# KiCad board HPM6750_ADC_EVK_RevA.kicad_pcb
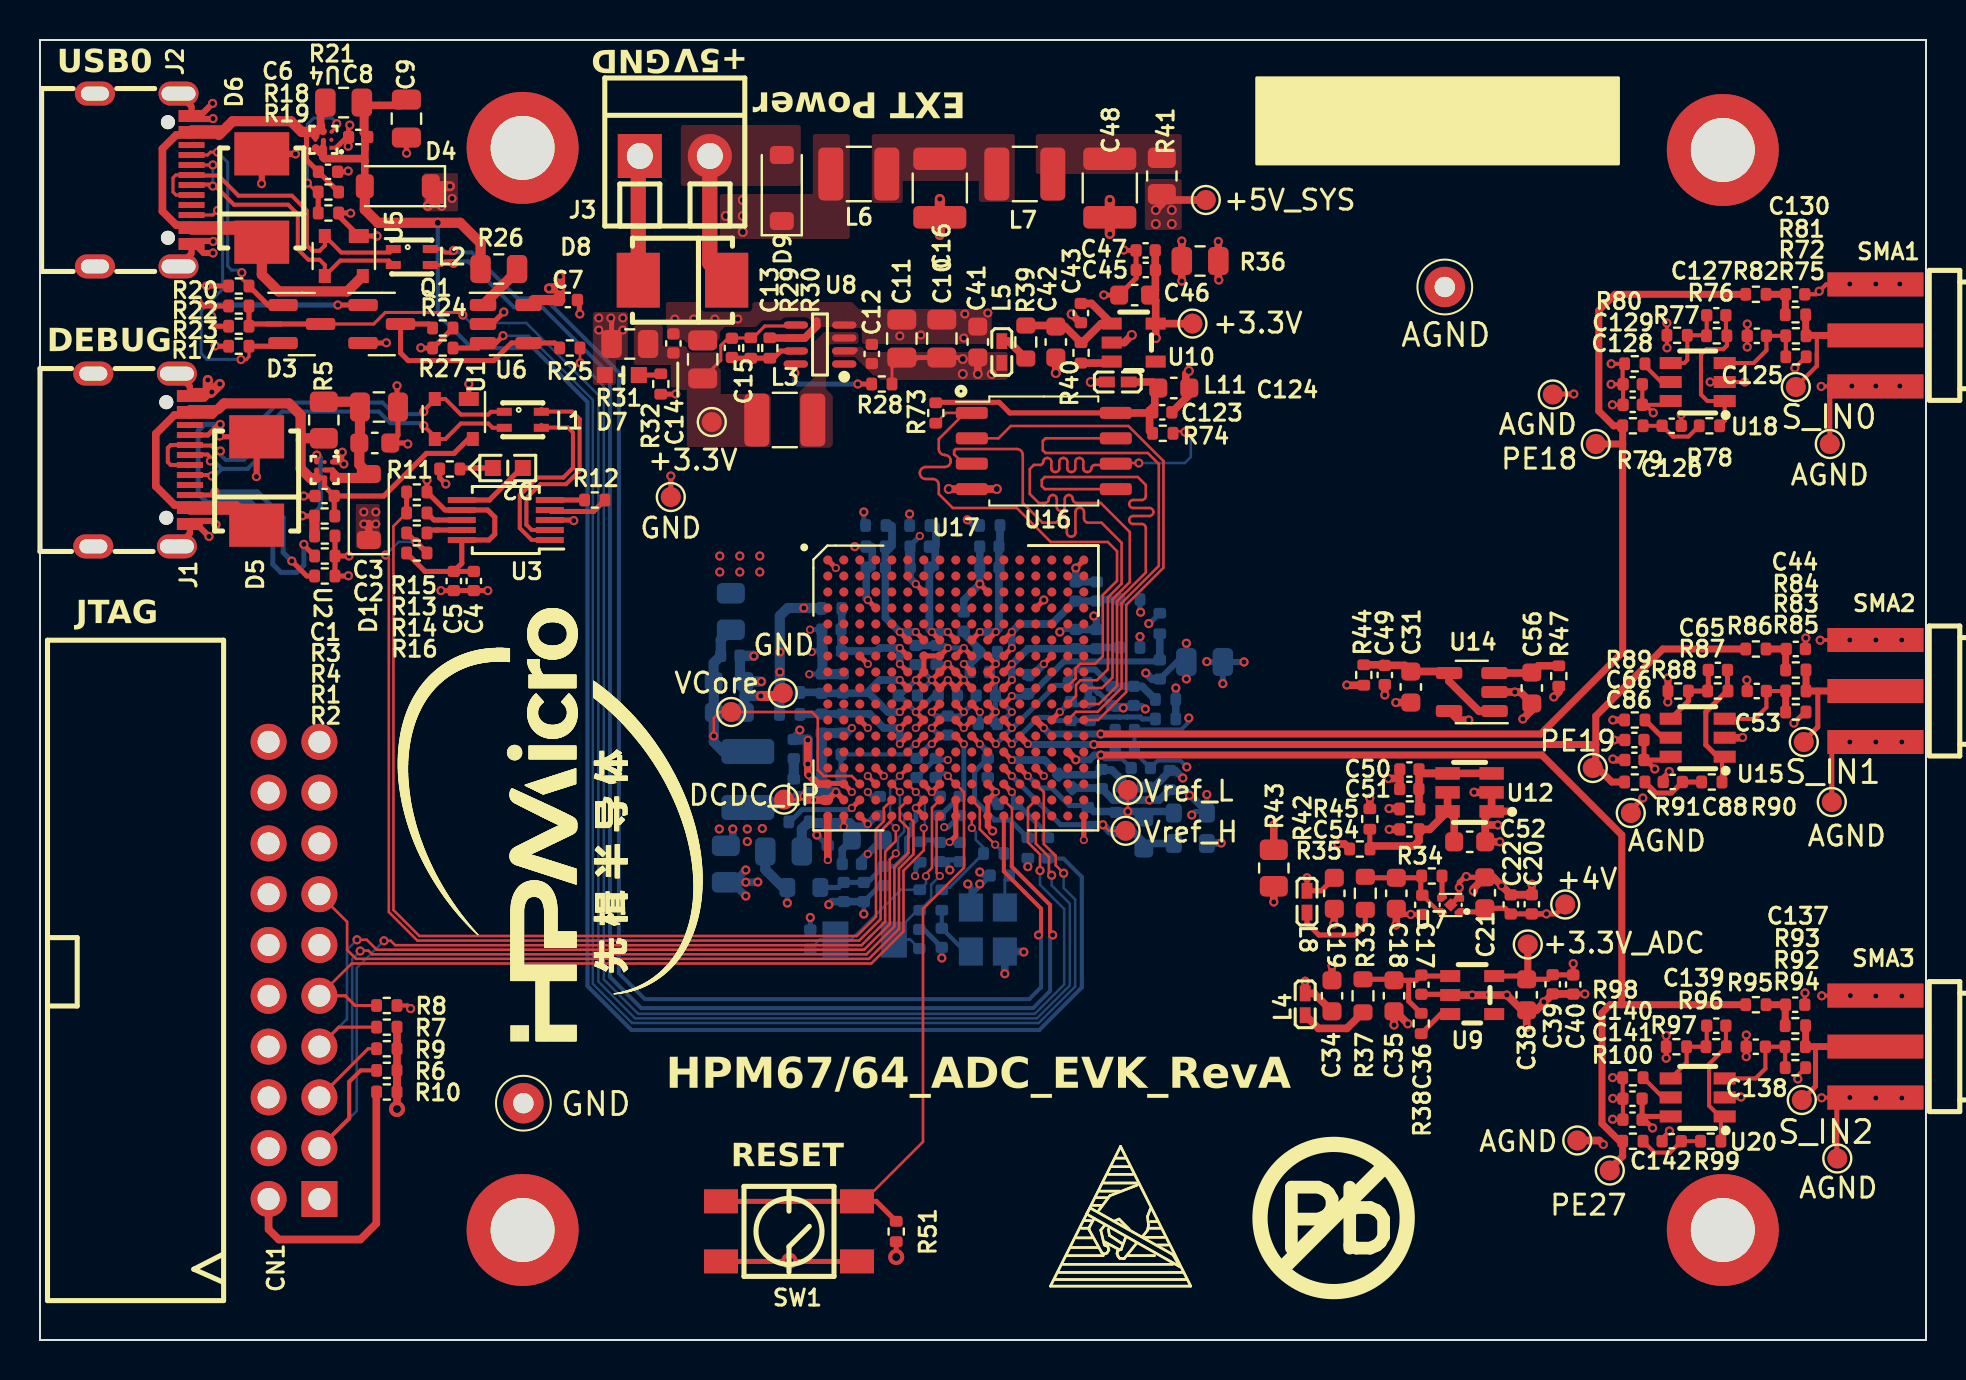
[diagram p0: board, top side]
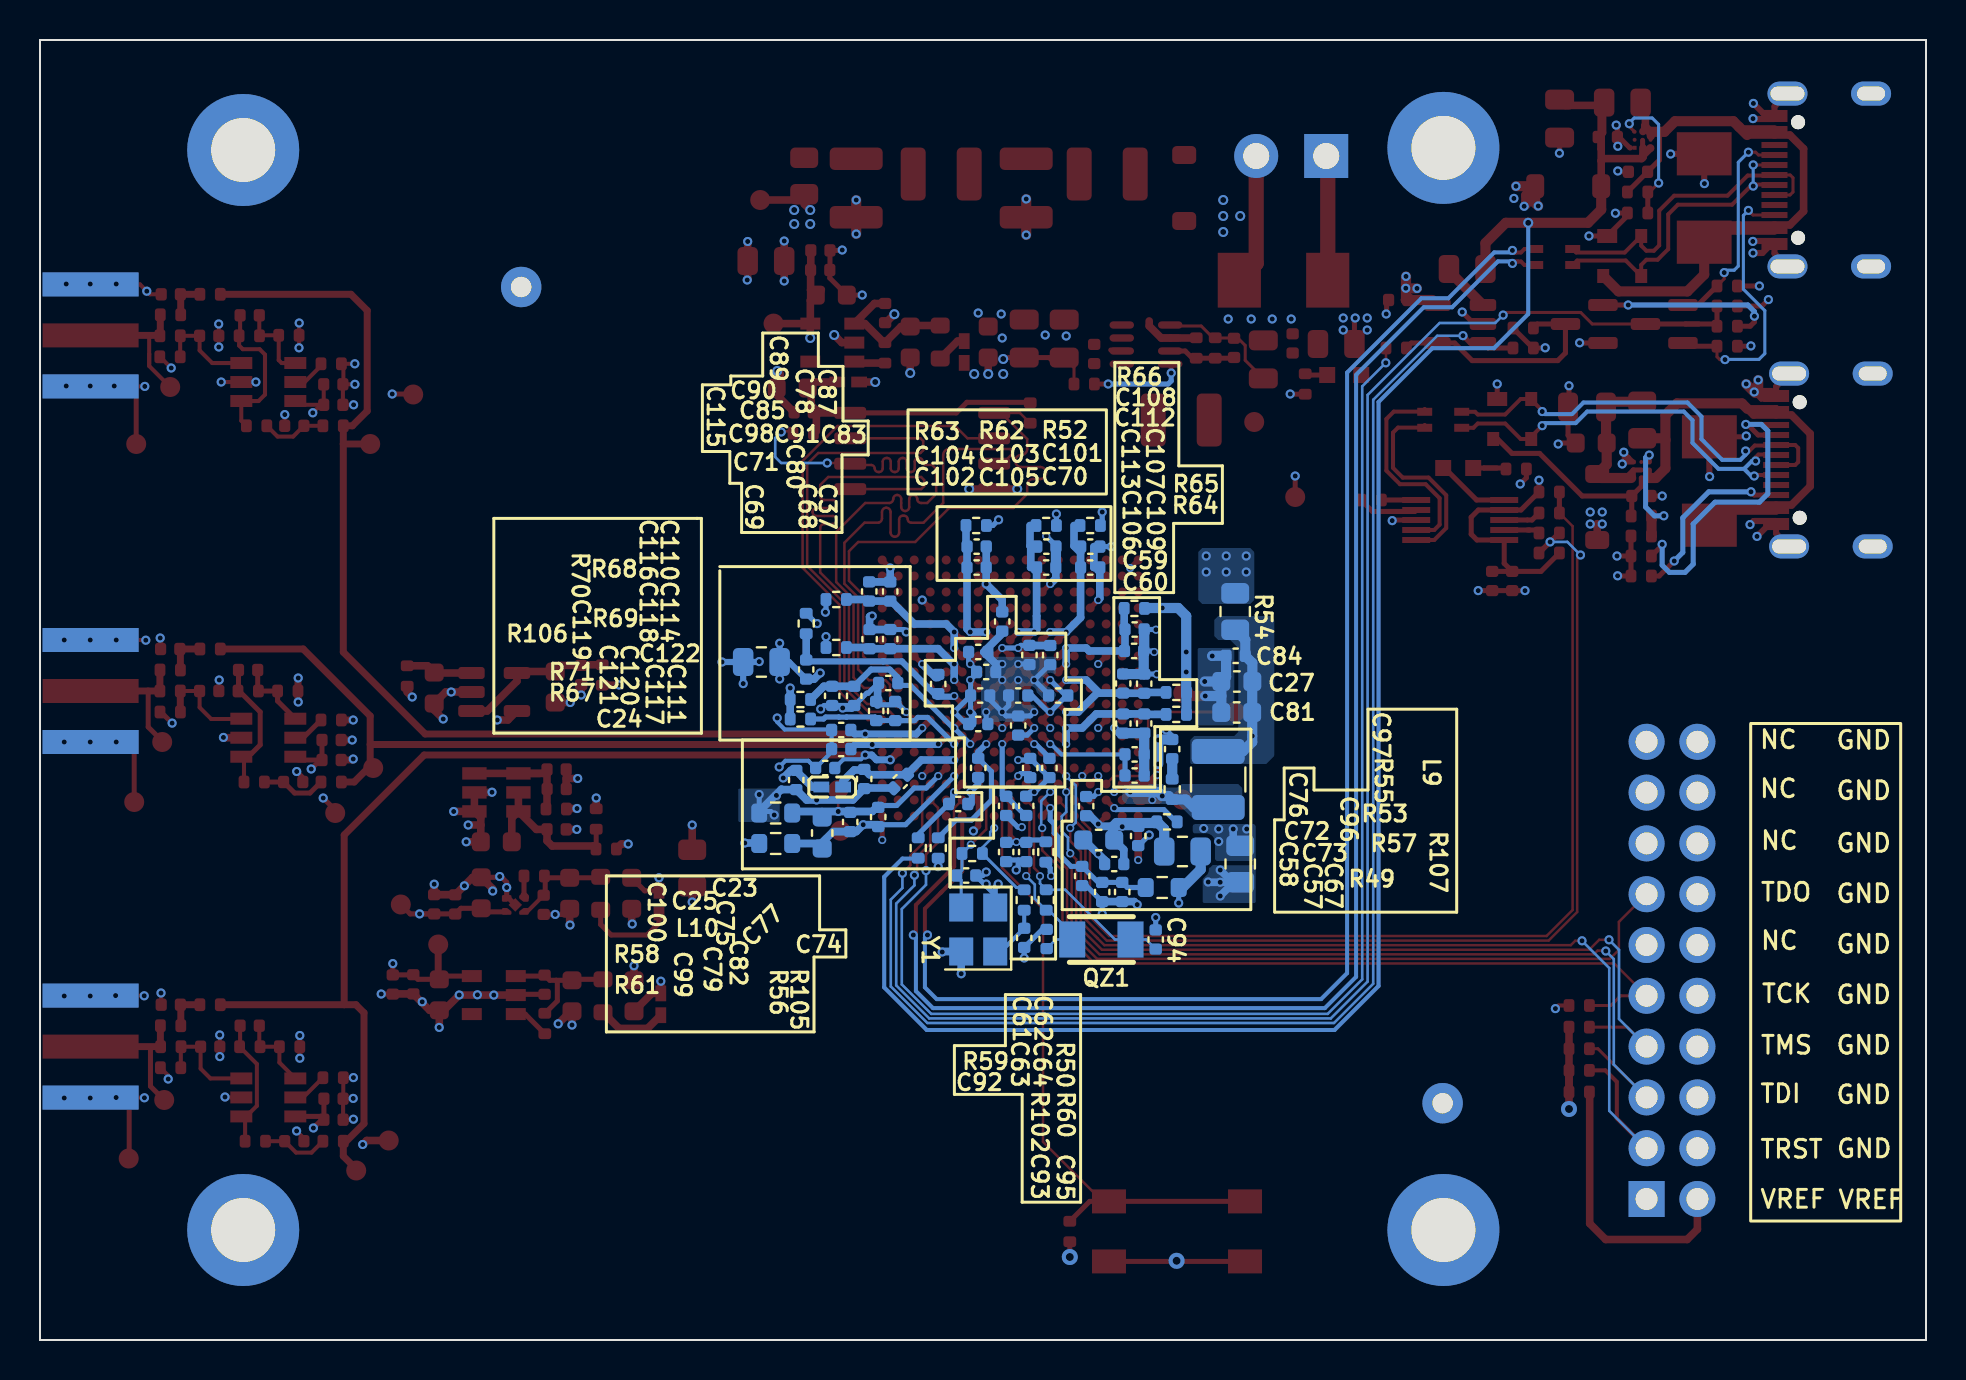
[diagram p1: board, bottom side, seen from below]

Outline 94.3 x 65 mm; copper layers: Top, In1.Cu, In2.Cu, Bottom. Coordinates in mm from the lower left corner of the outline.
Outline path: 0,65 94.3,65 94.3,0 0,0 0,65
Stack: Top 0.0351mm / dielectric 0.2103mm FR4 er 4.36 / In1.Cu 0.0152mm / dielectric 1.065mm FR4 er 4.43 / In2.Cu 0.0152mm / dielectric 0.2103mm FR4 er 4.36 / Bottom 0.0351mm

## Placement (name value [footprint] x y rotation side)
C1  0.1uF,50V  [C_0402_1005Metric]  14.23 42.2 180 top
C2  4.7uF,10V  [C_0603_1608Metric]  16.74 44.85 0 top
C3  22uF,10V  [C_0805_2012Metric]  16.95 46.65 0 top
C4  4.7uF,16V  [C_0402_1005Metric]  21.69 37.95 270 top
C5  0.1uF,16V  [C_0402_1005Metric]  20.69 37.95 270 top
C6  0.1uF,50V  [C_0402_1005Metric]  14.4 58.41 0 top
C7  4.7uF,16V  [C_0402_1005Metric]  26.39 52 0 top
C8  4.7uF,16V  [C_0402_1005Metric]  15.91 60.15 180 top
C9  22uF,10V  [C_0805_2012Metric]  18.32 61.07 270 top
C10  22uF,10V  [C_0805_2012Metric]  45.09 50.07 90 top
C11  22uF,10V  [C_0805_2012Metric]  43.09 50.07 90 top
C12  0.1uF,16V  [C_0402_1005Metric]  41.59 49.3 90 top
C13  18pF,50V  [C_0402_1005Metric]  34.6 49.61 270 top
C14  0.1uF,16V  [C_0402_1005Metric]  31.67 49.83 90 top
C15  22uF,10V  [C_0805_2012Metric]  33.13 49.03 90 top
C16  22uF,10V  [R_1210_3225Metric]  44.99 57.6 270 top
C17  0.1uF,16V  [C_0402_1005Metric]  69.11 21.76 270 top
C18  10uF,10V  [C_0603_1608Metric]  67.81 22.33 270 top
C19  10uF,10V  [C_0603_1608Metric]  64.71 22.33 270 top
C20  10nF,50V  [C_0402_1005Metric]  74.59 21.78 90 top
C21  10uF,10V  [C_0603_1608Metric]  72.24 22.36 90 top
C22  0.1uF,16V  [C_0402_1005Metric]  73.54 21.78 90 top
C23  10nF,50V  [C_0402_1005Metric]  54.24 29.55 0 bottom
C24  10nF,50V  [C_0402_1005Metric]  54.24 30.5 0 bottom
C25  10nF,50V  [C_0402_1005Metric]  55.04 28.6 0 bottom
C27  22uF,10V  [C_0603_1608Metric]  34.46 32.92 0 bottom
C31  10uF,10V  [C_0603_1608Metric]  68.54 32.65 270 top
C34  10uF,10V  [C_0603_1608Metric]  64.6 17.21 90 top
C35  10uF,10V  [C_0603_1608Metric]  67.7 17.21 270 top
C36  0.1uF,16V  [C_0402_1005Metric]  69.07 17.77 270 top
C37  0.22uF,50V  [C_0402_1005Metric]  43.83 28.6 270 bottom
C38  10uF,10V  [C_0603_1608Metric]  74.33 17.26 270 top
C39  0.1uF,16V  [C_0402_1005Metric]  75.64 17.78 270 top
C40  10nF,50V  [C_0402_1005Metric]  76.66 17.78 270 top
C41  10uF,10V  [C_0603_1608Metric]  46.89 49.9 90 top
C42  10uF,10V  [C_0603_1608Metric]  50.79 49.9 270 top
C43  0.1uF,16V  [C_0402_1005Metric]  52.04 51.35 270 top
C44  10nF,50V  [C_0402_1005Metric]  87.79 34.55 0 top
C45  10nF,50V  [C_0402_1005Metric]  55.29 53.5 180 top
C46  10uF,10V  [C_0603_1608Metric]  54.73 52.25 180 top
C47  0.1uF,16V  [C_0402_1005Metric]  55.28 54.48 180 top
C48  22uF,10V  [R_1210_3225Metric]  53.49 57.6 270 top
C49  0.1uF,16V  [C_0402_1005Metric]  67.24 33.25 270 top
C50  10uF,10V  [C_0402_1005Metric]  68.47 28.53 180 top
C51  0.1uF,16V  [C_0402_1005Metric]  68.46 27.55 180 top
C52  22uF,10V  [C_0603_1608Metric]  71.48 24.91 0 top
C53  10pF,50V  [C_0402_1005Metric]  85.84 32.45 180 top
C54  0.1uF,16V  [C_0402_1005Metric]  68.47 25.53 180 top
C56  10uF,10V  [C_0603_1608Metric]  74.59 32.6 270 top
C57  0.1uF,16V  [C_0402_1005Metric]  41.19 22.4 270 bottom
C58  0.1uF,16V  [C_0402_1005Metric]  42.19 23.2 270 bottom
C59  4.7uF,16V  [C_0402_1005Metric]  39.57 29.28 180 bottom
C60  0.1uF,16V  [C_0402_1005Metric]  39.57 28.22 180 bottom
C61  4.7uF,16V  [C_0402_1005Metric]  45.99 26.7 270 bottom
C62  0.1uF,16V  [C_0402_1005Metric]  44.99 26.7 90 bottom
C63  10uF,10V  [C_0402_1005Metric]  45.99 24.4 270 bottom
C64  0.1uF,16V  [C_0402_1005Metric]  44.99 24.4 270 bottom
C65  1nF,50V  [C_0402_1005Metric]  83.89 33.5 180 top
C66  0.1uF,16V  [C_0402_1005Metric]  79.72 30 180 top
C67  10uF,10V  [C_0402_1005Metric]  40.19 22.4 270 bottom
C68  0.1uF,16V  [C_0402_1005Metric]  44.79 28.6 90 bottom
C69  1uF,16V  [C_0402_1005Metric]  47.39 28.61 270 bottom
C70  0.1uF,16V  [C_0402_1005Metric]  41.79 38.62 180 bottom
C71  1uF,16V  [C_0402_1005Metric]  47.39 30.8 0 bottom
C72  22uF,10V  [C_0603_1608Metric]  41.36 25 0 bottom
C73  0.1uF,16V  [C_0402_1005Metric]  40.59 23.8 0 bottom
C74  1uF,16V  [C_0402_1005Metric]  48.39 26.8 180 bottom
C75  4.7uF,16V  [C_0402_1005Metric]  53.09 28.05 270 bottom
C76  0.1uF,16V  [C_0402_1005Metric]  41.99 26.69 90 bottom
C77  0.1uF,16V  [C_0402_1005Metric]  51.29 27.92 315 bottom
C78  0.1uF,16V  [C_0402_1005Metric]  44.83 34.25 90 bottom
C79  4.7uF,16V  [C_0402_1005Metric]  53.79 25.9 90 bottom
C80  0.1uF,16V  [C_0402_1005Metric]  45.39 30.72 270 bottom
C81  22uF,10V  [C_0603_1608Metric]  34.46 31.38 0 bottom
C82  0.1uF,16V  [C_0402_1005Metric]  52.39 26.15 90 bottom
C83  0.1uF,16V  [C_0402_1005Metric]  43.39 32.22 180 bottom
C84  0.1uF,16V  [C_0402_1005Metric]  34.52 34.21 0 bottom
C85  0.1uF,16V  [C_0402_1005Metric]  46.99 33.4 0 bottom
C86  1uF,16V  [C_0402_1005Metric]  79.72 29 180 top
C87  0.1uF,16V  [C_0402_1005Metric]  43.79 34.25 90 bottom
C88  10nF,50V  [C_0402_1005Metric]  81.64 27.9 180 top
C89  0.1uF,16V  [C_0402_1005Metric]  46.19 35.92 90 bottom
C90  0.1uF,16V  [C_0402_1005Metric]  47.39 34.4 0 bottom
C91  22uF,6.3V  [C_0402_1005Metric]  45.39 32.22 180 bottom
C92  18pF,50V  [C_0402_1005Metric]  47.99 23.22 180 bottom
C93  18pF,50V  [C_0402_1005Metric]  45.09 20.11 270 bottom
C94  12pF,50V  [C_0402_1005Metric]  38.52 20.03 90 bottom
C95  12pF,50V  [C_0402_1005Metric]  43.96 20.05 90 bottom
C96  0.1uF,16V  [C_0402_1005Metric]  39.39 25.2 270 bottom
C97  2200pF, 50V  [C_0402_1005Metric]  37.69 29.55 90 bottom
C98  22uF,6.3V  [C_0402_1005Metric]  47.29 32.22 0 bottom
C99  10uF,10V  [C_0603_1608Metric]  55.19 25.35 90 bottom
C100  0.1uF,16V  [C_0402_1005Metric]  56.49 28 270 bottom
C101  10uF,10V  [C_0402_1005Metric]  41.79 39.67 180 bottom
C102  0.1uF,16V  [C_0402_1005Metric]  47.47 38.62 180 bottom
C103  10uF,10V  [C_0402_1005Metric]  43.98 39.67 180 bottom
C104  10uF,10V  [C_0402_1005Metric]  47.47 39.67 180 bottom
C105  0.1uF,16V  [C_0402_1005Metric]  43.99 38.62 180 bottom
C106  10uF,10V  [C_0402_1005Metric]  40.13 30.82 270 bottom
C107  10uF,10V  [C_0402_1005Metric]  39.09 32.82 90 bottom
C108  10uF,10V  [C_0402_1005Metric]  39.57 35.53 180 bottom
C109  0.1uF,16V  [C_0402_1005Metric]  39.09 30.83 270 bottom
C110  0.1uF,16V  [C_0402_1005Metric]  51.79 37.42 90 bottom
C111  0.1uF,16V  [C_0402_1005Metric]  51.54 31.45 90 bottom
C112  0.1uF,16V  [C_0402_1005Metric]  39.6 34.45 180 bottom
C113  0.1uF,16V  [C_0402_1005Metric]  40.14 32.83 90 bottom
C114  0.1uF,16V  [C_0402_1005Metric]  51.79 35.05 90 bottom
C115  0.1uF,16V  [C_0402_1005Metric]  49.39 32.8 90 bottom
C116  10uF,10V  [C_0402_1005Metric]  52.84 37.43 90 bottom
C117  10uF,10V  [C_0402_1005Metric]  52.49 31.45 90 bottom
C118  10uF,10V  [C_0402_1005Metric]  52.82 35.04 90 bottom
C119  10uF,10V  [C_0402_1005Metric]  55.99 33.53 270 bottom
C120  0.1uF,16V  [C_0402_1005Metric]  53.59 32.2 270 bottom
C121  10uF,10V  [C_0402_1005Metric]  54.69 32.2 270 bottom
C122  0.1uF,16V  [C_0402_1005Metric]  51.89 32.85 0 bottom
C123  0.1uF,16V  [C_0402_1005Metric]  56.11 46.39 0 top
C124  10uF,10V  [C_0603_1608Metric]  56.69 47.6 0 top
C125  10pF,50V  [C_0402_1005Metric]  85.84 50.21 180 top
C126  10nF,50V  [C_0402_1005Metric]  81.58 45.71 0 top
C127  1nF,50V  [C_0402_1005Metric]  83.81 51.23 180 top
C128  1uF,16V  [C_0402_1005Metric]  79.64 46.76 180 top
C129  0.1uF,16V  [C_0402_1005Metric]  79.64 47.78 180 top
C130  10nF,50V  [C_0402_1005Metric]  87.76 52.28 0 top
C137  10nF,50V  [C_0402_1005Metric]  87.76 16.77 0 top
C138  10pF,50V  [C_0402_1005Metric]  85.79 14.67 180 top
C139  1nF,50V  [C_0402_1005Metric]  83.81 15.72 180 top
C140  0.1uF,16V  [C_0402_1005Metric]  79.62 12.06 180 top
C141  1uF,16V  [C_0402_1005Metric]  79.62 11.02 180 top
C142  10nF,50V  [C_0402_1005Metric]  81.58 9.94 180 top
CN1  2.54-2*10P弯简牛  [IDC-TH_20P_90°]  12.7 18.48 270 top
D1  1N5819HW-7-F  [D_SOD-123]  16.44 41.65 90 top
D2  LED GREEN  [LED]  23.39 43.6 180 top
D3  BAT54A-7-F  [SOT-23]  13.09 50.8 0 top
D4  1N5819HW-7-F  [D_SOD-123]  17.89 57.69 180 top
D5  SMB/DO-214AA_P6SMB6.8CA  [SMB(DO-214AA)_S1]  10.83 42.95 90 top
D6  SMB/DO-214AA_P6SMB6.8CA  [SMB(DO-214AA)_S1]  11.09 57.1 90 top
D7  LED_RED  [LED0603]  29.09 48.25 0 top
D8  SMB/DO-214AA_P6SMB6.8CA  [SMB(DO-214AA)_S1]  32.12 52.99 180 top
D9  1N5819HW-7-F  [D_SOD-123]  37.09 57.6 90 top
H1  MountingHole  [MountingHole_3.2mm_M3_DIN965_Pad]  24.13 5.5 0 top
H2  MountingHole  [MountingHole_3.2mm_M3_DIN965_Pad#2]  24.13 59.5 0 top
H3  MountingHole  [MountingHole_3.2mm_M3_DIN965_Pad]  84.14 59.5 0 top
H4  MountingHole  [MountingHole_3.2mm_M3_DIN965_Pad]  84.14 5.5 0 top
J1  KH-TYPE-C-16P  [USB-C-SMD_KH-TYPE-C-16P]  5.08 44 270 top
J2  KH-TYPE-C-16P  [USB-C-SMD_KH-TYPE-C-16P]  5.16 58 270 top
J3  DB125-3.5-2P-GN-S  [CONN-TH_2P-P3.50_L7.4-W7.0]  31.74 59.2 0 top
L1  DLW21SN900SQ2L  [SMD_4P_DLW21H]  24.14 46.01 0 top
L2  DLW21SN900SQ2L  [SMD_4P_DLW21H]  18.59 54.15 0 top
L3  2.2uH  [L_1210_3225Metric]  37.24 46 0 top
L4  BLM15AG102SN1D  [L0402]  63.26 16.78 270 top
L5  BLM15AG102SN1D  [L0402]  48.09 49.4 90 top
L6  ~  [L_1210_3225Metric]  40.94 58.3 0 top
L7  2.2uH  [L_1210_3225Metric]  49.24 58.3 0 top
L8  BLM15AG102SN1D  [L0402]  63.35 21.92 270 top
L9  4.7uH  [L_1210_3225Metric]  35.39 28.03 90 bottom
L10  BLM15AG102SN1D  [L0402]  54.69 27.65 180 bottom
L11  BLM15AG102SN1D  [L0402]  53.89 47.9 180 top
NOREF  -  [ESD2]  50.43 9.72 0 top
Q1  2N7002  [SOT-23]  17.09 50.8 0 top
QZ1  32.768kHz  [3215]  41.23 20.03 0 bottom
R1  5.1K  [R_0402_1005Metric]  14.24 39.2 0 top
R2  5.1K  [R_0402_1005Metric]  14.24 38.2 0 top
R3  1M  [R_0402_1005Metric]  14.23 41.2 180 top
R4  249K  [R_0402_1005Metric]  14.24 40.2 180 top
R5  0R  [R_0805_2012Metric]  14.19 46 270 top
R6  10K  [R_0402_1005Metric]  17.34 13.48 180 top
R7  10K  [R_0402_1005Metric]  17.34 15.64 0 top
R8  10K  [R_0402_1005Metric]  17.34 16.72 180 top
R9  10K  [R_0402_1005Metric]  17.34 14.56 0 top
R10  0Ω  [R_0402_1005Metric]  17.34 12.4 0 top
R11  1K  [R_0402_1005Metric]  20.49 43.55 180 top
R12  2K  [R_0402_1005Metric]  27.74 42 180 top
R13  33Ω  [R_0402_1005Metric]  18.84 41.35 180 top
R14  33Ω  [R_0402_1005Metric]  18.84 40.35 180 top
R15  5.1K  [R_0402_1005Metric]  18.84 42.4 180 top
R16  5.1K  [R_0402_1005Metric]  18.84 39.35 0 top
R17  5.1K  [R_0402_1005Metric]  9.94 49.69 180 top
R18  1M  [R_0402_1005Metric]  14.42 57.4 180 top
R19  249K  [R_0402_1005Metric]  14.42 56.35 180 top
R20  5.1K  [R_0402_1005Metric]  9.94 52.7 180 top
R21  0R  [R_0805_2012Metric]  15.18 61.87 180 top
R22  100K  [R_0402_1005Metric]  9.94 51.7 180 top
R23  10K  [R_0402_1005Metric]  9.94 50.69 0 top
R24  10K  [R_0402_1005Metric]  20.14 50.6 0 top
R25  0Ω  [R_0402_1005Metric]  26.49 49.6 180 top
R26  0Ω  [R_0805_2012Metric]  22.94 53.55 180 top
R27  10K  [R_0402_1005Metric]  20.14 49.6 0 top
R28  10K  [R_0402_1005Metric]  42.09 47.8 180 top
R29  200K  [R_0402_1005Metric]  35.54 49.6 90 top
R30  44.2K  [R_0402_1005Metric]  36.49 49.6 270 top
R31  0Ω  [R_0805_2012Metric]  29.49 49.8 0 top
R32  2K  [R_0402_1005Metric]  31.04 47.8 270 top
R33  10Ω  [R_0603_1608Metric]  66.27 22.33 90 top
R34  10K  [R_0402_1005Metric]  69.59 23.2 180 top
R35  0Ω  [R_0402_1005Metric]  65.99 24.55 180 top
R36  0Ω  [R_0805_2012Metric]  58 53.95 0 top
R37  10Ω  [R_0603_1608Metric]  66.15 17.21 90 top
R38  10K  [R_0402_1005Metric]  69.06 15.83 90 top
R39  10Ω  [R_0603_1608Metric]  49.29 49.9 90 top
R40  10K  [R_0402_1005Metric]  52.05 49.36 90 top
R41  0Ω  [R_0805_2012Metric]  56.09 58.2 270 top
R42  0Ω  [R_0402_1005Metric]  66.49 26.05 270 top
R43  0Ω  [R_0805_2012Metric]  61.69 23.6 90 top
R44  0Ω  [R_0402_1005Metric]  66.19 33.25 270 top
R45  0Ω  [R_0402_1005Metric]  68.49 26.55 0 top
R47  10K  [R_0402_1005Metric]  75.94 33.2 90 top
R49  0Ω  [R_0603_1608Metric]  38.19 22.62 0 bottom
R50  0Ω  [R_0402_1005Metric]  44.01 24.4 90 bottom
R51  10K  [R_0402_1005Metric]  42.81 5.42 90 top
R52  0Ω  [R_0402_1005Metric]  41.79 40.72 180 bottom
R53  29.4K  [R_0402_1005Metric]  37.95 25.91 180 bottom
R54  0Ω  [R_0805_2012Metric]  34.54 36.42 90 bottom
R55  10Ω  [R_0402_1005Metric]  37.69 27.53 270 bottom
R56  1K  [R_0402_1005Metric]  50.39 24.6 90 bottom
R57  0Ω  [R_0805_2012Metric]  37.18 24.42 0 bottom
R58  0Ω  [R_0603_1608Metric]  57.52 26.35 0 bottom
R59  2M  [R_0402_1005Metric]  47.69 24.33 180 bottom
R60  10M  [R_0402_1005Metric]  43.99 22 90 bottom
R61  0Ω  [R_0603_1608Metric]  57.52 24.83 0 bottom
R62  0Ω  [R_0402_1005Metric]  43.99 40.72 180 bottom
R63  0Ω  [R_0402_1005Metric]  47.49 40.72 180 bottom
R64  0Ω  [R_0402_1005Metric]  37.49 31.28 180 bottom
R65  0Ω  [R_0402_1005Metric]  37.49 32.38 180 bottom
R66  0Ω  [R_0402_1005Metric]  39.58 36.58 180 bottom
R67  0Ω  [R_0402_1005Metric]  56.28 31.05 0 bottom
R68  0Ω  [R_0402_1005Metric]  54.49 37.03 0 bottom
R69  0Ω  [R_0402_1005Metric]  54.49 34.62 0 bottom
R70  0Ω  [R_0402_1005Metric]  55.99 35.83 90 bottom
R71  0Ω  [R_0402_1005Metric]  56.28 32.03 0 bottom
R72  49.9Ω  [R_0402_1005Metric]  87.8 50.21 180 top
R73  10K  [R_0402_1005Metric]  44.79 46.35 270 top
R74  10K  [R_0402_1005Metric]  56.14 45.33 0 top
R75  49.9Ω  [R_0402_1005Metric]  87.8 49.16 180 top
R76  0Ω  [R_0402_1005Metric]  83.83 50.21 180 top
R77  1K  [R_0402_1005Metric]  81.86 50.23 180 top
R78  2.2Ω  [R_0402_1005Metric]  83.47 45.71 180 top
R79  0Ω  [R_0402_1005Metric]  79.64 45.71 180 top
R80  0Ω  [R_0402_1005Metric]  79.74 48.81 180 top
R81  49.9Ω  [R_0402_1005Metric]  87.77 51.26 180 top
R82  0Ω  [R_0402_1005Metric]  85.8 52.28 180 top
R83  49.9Ω  [R_0402_1005Metric]  87.8 32.45 180 top
R84  49.9Ω  [R_0402_1005Metric]  87.79 33.5 180 top
R85  49.9Ω  [R_0402_1005Metric]  87.79 31.4 180 top
R86  0Ω  [R_0402_1005Metric]  85.8 34.55 180 top
R87  0Ω  [R_0402_1005Metric]  83.89 32.45 180 top
R88  1K  [R_0402_1005Metric]  81.91 32.45 180 top
R89  0Ω  [R_0402_1005Metric]  79.74 31 180 top
R90  2.2Ω  [R_0402_1005Metric]  83.59 27.9 180 top
R91  0Ω  [R_0402_1005Metric]  79.74 27.9 180 top
R92  49.9Ω  [R_0402_1005Metric]  87.76 14.67 180 top
R93  49.9Ω  [R_0402_1005Metric]  87.77 15.72 180 top
R94  49.9Ω  [R_0402_1005Metric]  87.77 13.61 180 top
R95  0Ω  [R_0402_1005Metric]  85.8 16.77 180 top
R96  0Ω  [R_0402_1005Metric]  83.81 14.67 180 top
R97  1K  [R_0402_1005Metric]  81.82 14.67 180 top
R98  0Ω  [R_0402_1005Metric]  79.64 13.11 180 top
R99  2.2Ω  [R_0402_1005Metric]  83.53 9.94 180 top
R100  0Ω  [R_0402_1005Metric]  79.64 9.94 180 top
R102  0Ω  [R_0402_1005Metric]  45.09 22 90 bottom
R105  0Ω  [R_0402_1005Metric]  49.39 24.6 90 bottom
R106  0Ω  [R_0805_2012Metric]  58.23 33.9 0 bottom
R107  0Ω  [R_0805_2012Metric]  34.29 23.8 270 bottom
SMA1  SMA_C9900018296  [SMA-SMD_BWSMA-KE-P001]  91.77 50.23 0 top
SMA2  SMA_C9900018296  [SMA-SMD_BWSMA-KE-P001]  91.77 32.45 0 top
SMA3  SMA_C9900018296  [SMA-SMD_BWSMA-KE-P001]  91.77 14.67 0 top
SW1  轻触开关4.5mm  [KEY-SMD_4P-L4.5-W4.5]  37.45 5.43 0 top
TP1  GND  [Test_Point_D1.02mm]  24.17 11.84 0 top
TP2  +5V_SYS  [TestPoint_Pad_D1.0mm]  58.29 57 0 top
TP3  +3.3V  [TestPoint_Pad_D1.0mm]  33.59 45.9 0 top
TP4  +3.3V_ADC  [TestPoint_Pad_D1.0mm]  74.39 19.78 180 top
TP5  +3.3V  [TestPoint_Pad_D1.0mm]  57.62 50.82 180 top
TP6  +4V  [TestPoint_Pad_D1.0mm]  76.26 21.78 180 top
TP7  GND  [TestPoint_Pad_D1.0mm]  37.14 32.35 0 top
TP8  GND  [TestPoint_Pad_D1.0mm]  31.54 42.15 0 top
TP10  Vref_L  [TestPoint_Pad_D1.0mm]  54.39 27.5 0 top
TP11  DCDC_LP  [TestPoint_Pad_D1.0mm]  37.2 27.02 0 top
TP12  S_IN0  [TestPoint_Pad_D1.0mm]  87.79 47.65 0 top
TP13  VCore  [TestPoint_Pad_D1.0mm]  34.56 31.4 0 top
TP14  Vref_H  [TestPoint_Pad_D1.0mm]  54.28 25.46 0 top
TP15  AGND  [TestPoint_Pad_D1.0mm]  89.49 44.8 0 top
TP16  S_IN1  [TestPoint_Pad_D1.0mm]  88.19 29.9 0 top
TP17  AGND  [TestPoint_Pad_D1.0mm]  89.59 26.9 0 top
TP18  PE27  [TestPoint_Pad_D1.0mm]  78.49 8.47 0 top
TP19  AGND  [TestPoint_Pad_D1.0mm]  79.54 26.35 0 top
TP20  PE18  [TestPoint_Pad_D1.0mm]  77.79 44.8 0 top
TP21  S_IN2  [TestPoint_Pad_D1.0mm]  88.09 12 0 top
TP22  AGND  [TestPoint_Pad_D1.0mm]  89.86 9.08 0 top
TP23  AGND  [TestPoint_Pad_D1.0mm]  75.64 47.28 0 top
TP24  PE19  [TestPoint_Pad_D1.0mm]  77.64 28.6 0 top
TP25  AGND  [TestPoint_Pad_D1.0mm]  76.86 9.97 0 top
TP26  AGND  [Test_Point_D1.02mm]  70.24 52.65 0 top
U1  PRTR5V0U2X  [SOT-143]  20.69 46.05 270 top
U2  AW33901FCR  [FCQFN-9]  14.23 43.5 270 top
U3  CH340E  [MSOP-10_3x3mm_P0.5mm]  23.29 41 180 top
U4  AW33901FCR  [FCQFN-9]  14.17 60.01 180 top
U5  PRTR5V0U2X  [SOT-143]  15.19 54.2 270 top
U6  AP2151WG-7  [SOT-23-5]  23.29 50.8 0 top
U7  TPS7A2042PDQNR  [X2SON-4_L1.0-W1.0-P0.65-TL-EP]  70.53 21.75 180 top
U8  MP2161GJ-Z  [TSOT-23-8_L2.9-W1.6-P0.65-LS2.8-BR]  39 49.78 0 top
U9  TPS7A2033PDBVR  [SOT-23-5_L2.9-W1.6-P0.95-LS2.8-BR]  71.61 17.25 180 top
U10  TPS7A2033PDBVR  [SOT-23-5_L2.9-W1.6-P0.95-LS2.8-BR]  54.68 49.87 180 top
U12  REF3433IDBVR  [TSOT-23-6_L2.9-W1.6-P0.95-LS2.8-TL]  71.48 27.38 180 top
U14  OPA350  [SOT-23-5]  71.59 32.4 180 top
U15  OPA625IDBVR  [SOT-23-6_L2.9-W1.6-P0.95-LS2.8-BR]  82.89 30.11 0 top
U16  MX25L12833FM2I-10G  [SOIC-8_5.23x5.23mm_P1.27mm]  50.19 44.45 0 top
U17  HPM6750_6730_289Pin  [BGA-289_17x17_14.0x14.0mm]  45.79 32.6 0 top
U18  OPA625IDBVR  [SOT-23-6_L2.9-W1.6-P0.95-LS2.8-BR]  82.89 47.9 0 top
U20  OPA625IDBVR  [SOT-23-6_L2.9-W1.6-P0.95-LS2.8-BR]  82.89 12.13 0 top
Y1  XTAL_24MHZ  [Crystal_SMD_3225-4Pin_3.2x2.5mm]  47.39 20.53 90 bottom

## Library data of the parts
C1-C22 C27 C31 C34-C43 C45-C52 C54 C56-C64 C66-C124 C126 C128 C129 C140-C142 = -: Description: Unpolarized capacitor
C23-C25 C44 C53 C65 C125 C127 C130 C137-C139 = -: Description: Unpolarized capacitor; DNP: DNP
CN1 = -: SuppliersPartNumber: C93700
D1 D4 D9 = -: SuppliersPartNumber: C115726
D2 D7 = -: Description: Light emitting diode
D3 = -: SuppliersPartNumber: C134401
D5 D6 D8 = -: Comment: P6SMB6.8CA; ComponentLink1Description: 供应商链接; Package: SMB/DO-214AA; Supplier: LC; SuppliersPartNumber: C78395; description: TVS
H1-H4 = -: Description: Mounting Hole without connection
J1 J2 = -: Description: kinghelm(金航标)
J3 = -: SuppliersPartNumber: C466970; uuid: std:f941f515b5f84499a781072d7f67603b
L3 L6 L7 = -: Model: 2.2uH,±20%,2200mA，98mΩ; SuppliersPartNumber: C83415
L4 L5 L8 L10 L11 = -: SuppliersPartNumber: C76883; uuid: std:31453510072c4f8e98ec6bbf092c7702
L9 = -: Model: 1276AS-H-4R7M; SuppliersPartNumber: C83415
Q1 = -: Description: 0.115A Id, 60V Vds, N-Channel MOSFET, SOT-23
QZ1 = -: SuppliersPartNumber: C1669858
R1-R4 R6-R9 R11 R13-R20 R22-R24 R26-R35 R37-R41 R45 R47 R49 R50 R52-R59 R61-R71 R73 R74 R76 R78 R80-R82 R84 R86 R87 R89 R90 R93 R95 R96 R98 R99 R102 R105-R107 = -: Description: Resistor
R5 R10 R12 R21 R25 R36 R42-R44 R51 R72 R75 R77 R79 R83 R85 R88 R91 R92 R94 R97 R100 = -: Description: Resistor; DNP: DNP
R60 = -: Description: Resistor; ASSY_OPT: DNP
SMA1-SMA3 = -: SuppliersPartNumber: C9900018296; uuid: std:54ec4f79ad824cb2bdc504487557a48c
SW1 = -: SuppliersPartNumber: C221747
TP1 TP12 TP15-TP26 = -: Description: PC TEST POINT MINIATURE WHITE; Category: Test and Measurement; DK_Datasheet_Link: http://www.keyelco.com/product-pdf.cfm?p=1311; DK_Detail_Page: /product-detail/en/keystone-electronics/5002/36-5002-ND/255328; Digi-Key_PN: 36-5002-ND; Family: Test Points; MPN: 5002; Manufacturer: Keystone Electronics; Status: Active
TP2-TP8 TP10 TP11 TP13 TP14 = -: Description: test point
U1 = -: Description: PRTR5V0U2X,SOT-143B,NXP,RoHS; COMPONENTLINK1DESCRIPTION: ErpDataInfo; COMPONENTLINK1URL: http://erp.zlgmcu.com/ErpExt/ErpData/ListMateriel.aspx?pkey=1.05.10.0153; ROHS: RoHS; 厂商: NXP; 名称: 集成电路; 器件优选方案: 量产物料,优先选用; 封装: SOT-143B; 物料代码: 1.05.10.0153; 设备封装名称: SOT-143B_PRTR5V0U2X; 贴片和直插: SMT
U2 U4 = -: SuppliersPartNumber: C506184
U3 = -: Description: USB serial converter, UART, MSOP-10
U6 = -: SuppliersPartNumber: C110464
U7 = -: SuppliersPartNumber: C2862921; uuid: std:b265265db0aa46c28497196bcc631bb9
U8 = -: SuppliersPartNumber: C84831; uuid: std:b583fc70ad1663cc24636fba188e0465
U9 U10 = -: SuppliersPartNumber: C2862740; uuid: std:2e31b5861a784133b2ecb561012a4cf5
U12 = -: SuppliersPartNumber: C882722; uuid: std:0c9ceb81bcbd48178b467e87fa28b230
U14 = -: Description: Single High Speed CMOS Operational Amplifier, SOT-23-5
U15 U18 U20 = -: SuppliersPartNumber: C495362; uuid: std:90e4ce1759de412d9bf8c9107a5f1053
